# Altium PCB PCB_wordclocksmall_2022-11-05.pcbdoc (part 4 of 5)
Units mm, origin at the board's own origin, x right, y up, seen from the top; angles counter-clockwise.
Board outline 235.71 x 238.24 mm, 2 copper layers (Top Layer, Bottom Layer); 312 components, 226 nets, 1026 pads, 204 vias.
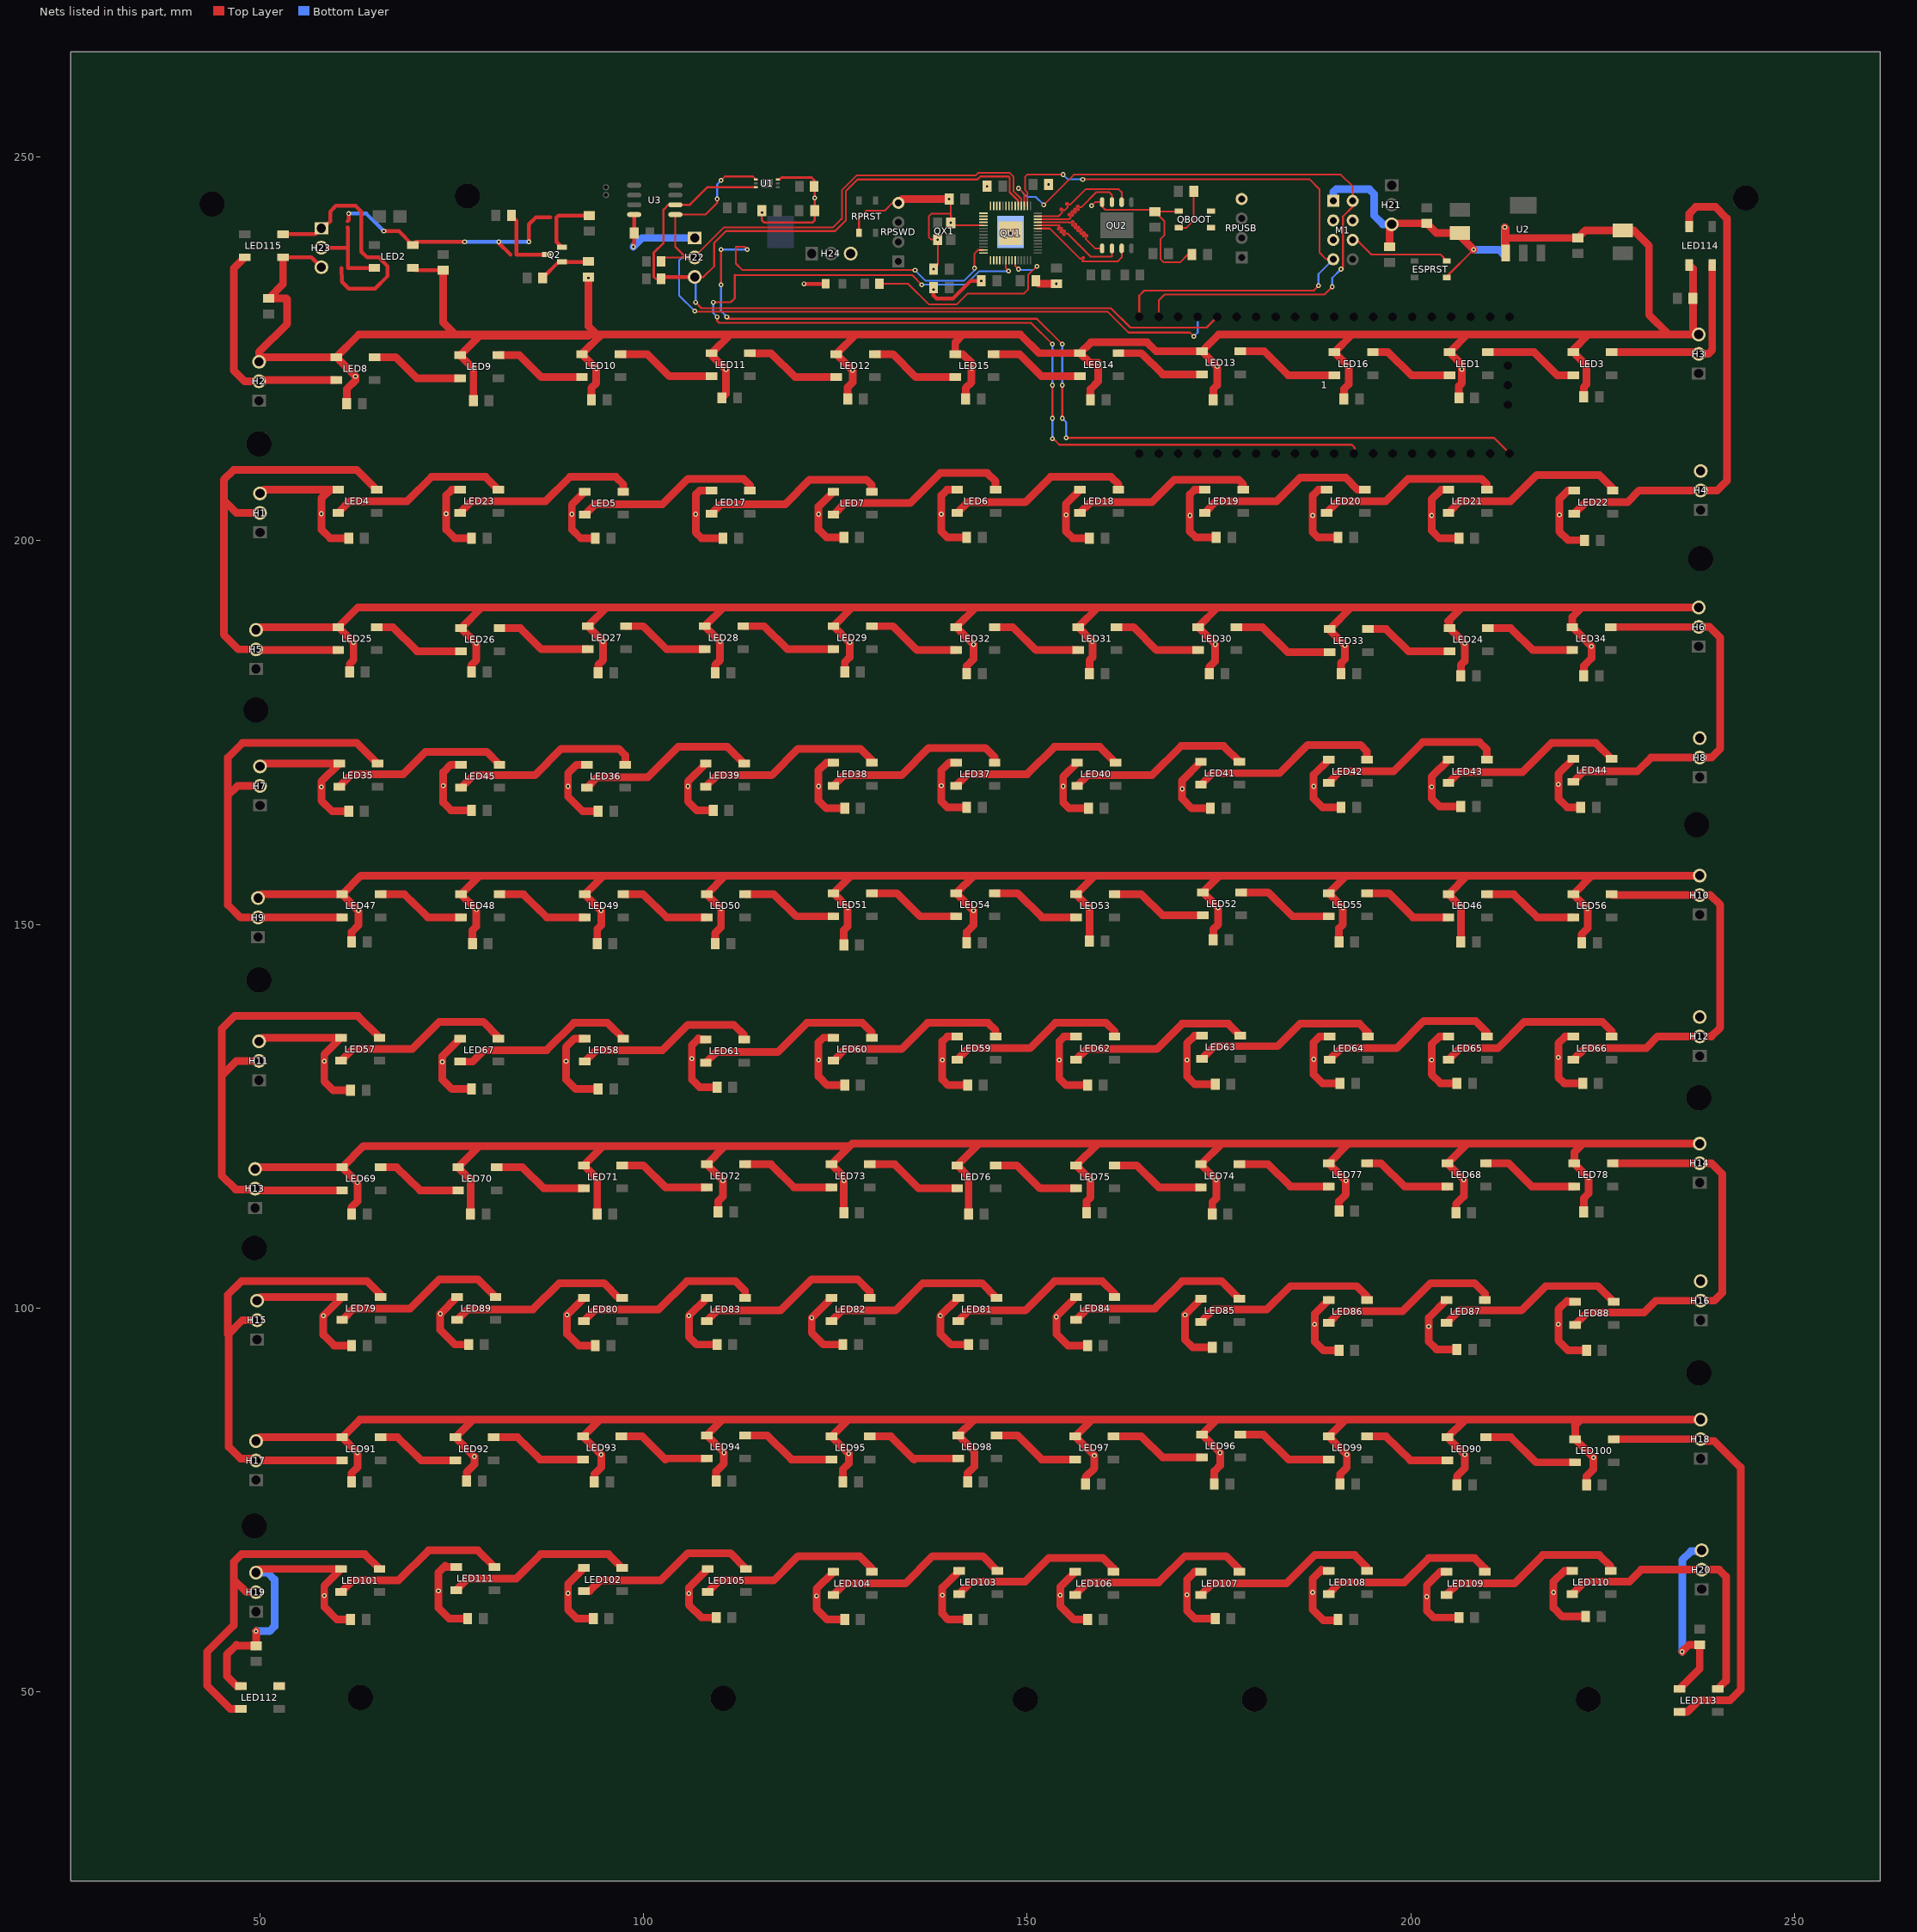
[diagram p4: the nets of this part, all layers, seen from the top]

## Via types
v1: diameter 0.635, hole 0.305, Top Layer to Bottom Layer, tented both sides, 201 vias
v2: diameter 1, hole 0.5, Top Layer to Bottom Layer, tented both sides, 3 vias

## Nets (pads, with @x,y where several pads share a name; then routed paths per layer and width w, separated by ;. In a path a pad name is that pad's centre, name@x,y a point inside that pad or via, vN(x,y) a via of type N, cw(c..) or ccw(c..) an arc to the next point about the centre after c; other vN are vias at no path point) (continued)
GND: 1.GND 1.GND1 1.GND2 1.GND4 1.GND5 BT1.2 C1.2 C2.1 C3.2 C4.2 C5.2 C6.1 C7.2 C8.2 C9.2 C10.1 C11.2 C12.2 C13.2 C14.2 C15.2 C16.2 C17.2 C18.2 C19.2 C20.2 C21.2 C22.2 C23.2 C24.2 C25.2 C26.2 C27.2 C28.2 C29.2 C30.2 C31.2 C32.2 C33.2 C34.2 C35.2 C36.2 C37.2 C38.2 C39.2 C40.2 C41.2 C42.2 C43.2 C44.2 C45.2 C46.2 C47.2 C48.2 C49.2 C50.2 C51.2 C52.2 C53.2 C54.2 C55.2 C56.2 C57.2 C58.2 C59.2 C60.2 C61.2 C62.2 C63.2 C64.2 C65.2 C66.2 C67.2 C68.2 C69.2 C70.2 C71.2 C72.2 C73.2 C74.2 C75.2 C76.2 C77.2 C78.2 C79.2 C80.2 C81.2 C82.2 C83.2 C84.2 C85.2 C86.2 C87.2 C88.2 C89.2 C90.2 C91.2 C92.2 C93.2 C94.2 C95.2 C96.2 C97.2 C98.2 C99.2 C100.2 C101.2 C102.2 C103.2 C104.2 C105.2 C106.2 C107.2 C108.2 C109.2 C110.2 C111.2 C112.2 C113.2 C114.2 C115.2 C116.2 C117.2 C118.2 C119.2 C120.2 C121.2 C122.2 C123.2 C124.2 C125.1 C126.1 C127.1 C128.1 C129.1 C130.2 C131.1 C132.1 C133.1 ESPRST.4 H1.3 H2.3 H3.3 H4.3 H5.3 H6.3 H7.3 H8.3 H9.3 H10.3 H11.3 H12.3 H13.3 H14.3 H15.3 H16.3 H17.3 H18.3 H19.3 H20.3 H21.3 H22.1 H23.3 H24.3 LED1.3 LED2.3 LED3.3 LED4.3 LED5.3 LED6.3 LED7.3 LED8.3 LED9.3 LED10.3 LED11.3 LED12.3 LED13.3 LED14.3 LED15.3 LED16.3 LED17.3 LED18.3 LED19.3 LED20.3 LED21.3 LED22.3 LED23.3 LED24.3 LED25.3 LED26.3 LED27.3 LED28.3 LED29.3 LED30.3 LED31.3 LED32.3 LED33.3 LED34.3 LED35.3 LED36.3 LED37.3 LED38.3 LED39.3 LED40.3 LED41.3 LED42.3 LED43.3 LED44.3 LED45.3 LED46.3 LED47.3 LED48.3 LED49.3 LED50.3 LED51.3 LED52.3 LED53.3 LED54.3 LED55.3 LED56.3 LED57.3 LED58.3 LED59.3 LED60.3 LED61.3 LED62.3 LED63.3 LED64.3 LED65.3 LED66.3 LED67.3 LED68.3 LED69.3 LED70.3 LED71.3 LED72.3 LED73.3 LED74.3 LED75.3 LED76.3 LED77.3 LED78.3 LED79.3 LED80.3 LED81.3 LED82.3 LED83.3 LED84.3 LED85.3 LED86.3 LED87.3 LED88.3 LED89.3 LED90.3 LED91.3 LED92.3 LED93.3 LED94.3 LED95.3 LED96.3 LED97.3 LED98.3 LED99.3 LED100.3 LED101.3 LED102.3 LED103.3 LED104.3 LED105.3 LED106.3 LED107.3 LED108.3 LED109.3 LED110.3 LED111.3 LED112.3 LED113.3 LED114.3 LED115.3 LED116.1 M1.1 QBOOT.4 QU1.19 QU1.57 QU2.4 QX1.2 QX1.4 R1.2 R5.1 RPRST.4 RPSWD.4 RPUSB.4 U1.3 U2.1 U3.4 | length 2433.2
  Top Layer w0.229: RPRST.4@128.084,240.104 128.085,241.882 129.032,242.966 131.445,242.966 132.461,243.982 RPSWD.4@133.223,243.982 ; v1(137.795,235.346) 138.342,235.893 v1(138.342,239.199) 137.498,239.199 137.16,239.537 137.16,242.204 137.541,242.585 139.827,242.585 140.081,242.331 140.081,241.438 v1(140.042,241.399) ; v1(139.827,244.49) 140.042,244.275 v1(140.042,241.399) ; QU1.19@144.278,241.045 140.396,241.045 v1(140.042,241.399) ; v1(158.369,243.601) 158.842,244.074 QU2.4@159.766,244.074 159.766,243.474 160.147,243.093 166.37,243.093 C129.1@166.624,242.839 ; QBOOT.4@169.731,242.898 169.672,242.839 C129.1@166.624,242.839 ; C131.1@171.45,237.251 170.942,237.251 169.926,236.235 167.767,236.235 167.386,236.616 167.386,239.283 167.894,239.791 167.894,241.569 C129.1@166.624,242.839 ; ESPRST.4@204.665,234.271 204.665,234.398 v1(208.153,237.886)
  Top Layer w0.3: C6.1@115.443,242.966 115.443,241.696 115.697,241.442 122.047,241.442 122.301,241.696 C7.2@122.301,242.966 v1(122.301,244.617) 122.301,246.091 R1.2@122.251,246.141 ; U1.3@117.506,247.022 117.721,247.023 117.983,247.284 121.92,247.284 122.25,246.954 R1.2@122.251,246.141
  Top Layer w0.5: LED2.3@69.937,235.497 70.215,235.219 C4.2@73.914,235.219 ; v1(92.837,234.203) R5.1@92.837,234.33 ; v1(98.679,238.267) 98.806,238.394 C3.2@98.806,240.045 98.806,242.443 U3.4@98.791,242.458
  Top Layer w0.508: LED115.3@53.046,236.894 56.745,236.894 H23.3@58.039,235.6 ; v1(120.904,233.438) LED116.1@123.741,233.441 ; C132.1@137.795,232.933 137.795,231.917 138.176,231.536 140.335,231.536 142.621,233.822 v1(144.018,233.822)
  Top Layer w1: LED112.3@47.538,50.791 47.014,50.791 45.72,52.085 45.72,54.879 46.99,56.149 47.117,56.022 C119.2@49.53,56.022 v1(49.53,57.927) ; H13.3@49.403,118.125 49.633,118.355 LED69.3@60.746,118.355 ; H19.3@49.53,65.547 50.014,66.031 LED101.3@60.619,66.031 58.42,63.832 v1(58.42,62.573) 58.42,61.102 60.071,59.451 C108.2@61.849,59.451 ; H17.3@49.53,82.692 50.014,83.176 LED91.3@60.746,83.176 ; H5.3@49.53,188.356 49.887,188.713 LED25.3@60.238,188.713 ; H15.3@49.657,100.98 50.141,101.464 LED79.3@60.746,101.464 v1(58.293,99.011) 58.293,96.535 59.69,95.138 C86.2@61.976,95.138 ; H9.3@49.784,153.431 50.268,153.915 LED47.3@60.746,153.915 ; H11.3@49.911,134.762 50.395,135.246 LED57.3@60.619,135.246 58.42,133.047 v1(58.42,132.174) 58.42,129.555 59.563,128.412 C64.2@61.849,128.412 ; H7.3@50.038,170.576 50.395,170.933 LED35.3@60.365,170.933 58.039,168.607 v1(58.039,167.903) 58.039,166.131 59.436,164.734 C42.2@61.595,164.734 ; H1.3@50.038,206.136 50.522,206.62 LED4.3@60.238,206.62 ; LED115.3@53.046,236.894 53.046,233.401 C122.2@51.181,231.536 53.467,231.536 53.594,231.409 53.594,228.234 49.911,224.551 H2.3@49.911,223.281 50.522,223.892 LED8.3@59.984,223.892 v1(62.484,221.392) 62.484,220.868 61.341,219.725 C16.2@61.341,217.82 ; LED8.3@59.984,223.892 62.928,226.837 94.551,226.837 ; LED4.3@60.239,206.621 59.207,206.621 58.039,205.501 v1(58.039,203.488) 58.039,201.437 59.182,200.294 C12.2@61.595,200.294 ; C32.2@61.722,182.895 61.722,183.911 62.23,184.419 v1(62.23,186.721) LED25.3@60.238,188.713 ; C98.2@61.976,77.358 61.976,78.501 62.738,79.263 v1(62.738,81.184) LED91.3@60.746,83.176 ; C76.2@61.976,112.283 61.976,113.172 62.738,113.934 v1(62.738,116.363) LED69.3@60.746,118.355 ; C54.2@61.976,147.716 61.976,148.986 62.865,149.875 v1(62.865,151.796) LED47.3@60.746,153.915 ; C4.2@73.914,235.219 73.914,228.404 75.481,226.837 ; LED111.3@75.605,66.285 74.319,66.285 74.168,66.436 73.279,65.547 v1(73.279,63.183) 73.279,60.975 74.676,59.578 C118.2@77.089,59.578 ; LED89.3@75.732,101.464 v1(73.533,99.265) 73.533,97.17 75.438,95.265 C96.2@77.216,95.265 ; LED67.3@76.113,135.119 73.787,132.793 v1(73.787,132.089) 73.787,129.809 75.057,128.539 C74.2@77.597,128.539 ; LED23.3@76.113,206.62 75.033,206.62 74.295,205.882 v1(74.295,203.488) 74.295,201.437 75.438,200.294 C30.2@77.597,200.294 ; LED45.3@76.24,170.806 74.906,170.806 73.914,169.814 v1(73.914,168.072) 73.914,165.877 74.93,164.861 C52.2@77.597,164.861 ; C99.2@76.962,77.485 76.962,78.628 77.978,79.644 v1(77.978,80.676) LED92.3@75.478,83.176 77.788,85.486 ; C77.2@77.47,112.283 v1(77.47,116.744) LED70.3@75.859,118.355 78.629,121.125 ; C33.2@77.597,182.895 77.597,183.784 78.232,184.419 v1(78.232,186.594) LED26.3@76.24,188.586 78.931,191.277 ; C55.2@77.724,147.462 77.724,149.24 78.232,149.748 v1(78.232,151.923) LED48.3@76.24,153.915 78.677,156.352 ; C17.2@77.851,218.201 v1(77.851,222.408) LED9.3@76.113,224.146 78.635,226.668 92.837,226.668 ; LED102.3@92.242,66.158 90.17,64.086 v1(90.17,62.878) 90.17,60.721 91.313,59.578 C109.2@93.472,59.578 ; LED80.3@92.242,101.337 v1(90.043,99.138) 90.043,96.662 91.567,95.138 C87.2@93.726,95.138 ; LED58.3@92.369,135.119 91.035,135.119 89.916,134 v1(89.916,132.174) 89.916,129.809 91.186,128.539 C65.2@94.107,128.539 ; LED5.3@92.369,206.366 90.678,204.675 v1(90.678,203.437) 90.678,201.437 91.821,200.294 C13.2@93.726,200.294 ; LED36.3@92.623,170.806 91.289,170.806 90.17,169.687 v1(90.17,167.988) 90.17,166.639 92.075,164.734 C43.2@94.107,164.734 ; R5.1@92.837,234.33 92.837,227.905 94.229,226.513 ; C18.2@93.218,218.328 93.218,219.852 93.853,220.487 v1(93.853,222.408) LED10.3@91.988,224.273 94.552,226.837 111.316,226.837 ; C100.2@93.599,77.358 93.599,78.374 94.488,79.263 v1(94.488,80.93) LED93.3@92.115,83.303 94.298,85.486 ; C78.2@93.98,112.283 v1(93.98,116.871) LED71.3@92.242,118.609 94.758,121.125 ; C56.2@93.98,147.462 93.98,149.367 94.488,149.875 v1(94.488,151.796) LED49.3@92.369,153.915 94.806,156.352 ; C34.2@94.107,182.768 94.107,183.784 94.742,184.419 v1(94.742,186.848) LED27.3@92.75,188.84 95.187,191.277 ; LED61.3@108.117,134.992 107.339,134.992 107.188,135.143 106.299,134.254 v1(106.299,132.512) 106.299,129.809 107.315,128.793 C66.2@109.601,128.793 ; LED39.3@108.117,170.933 105.791,168.607 v1(105.791,167.988) 105.791,166.004 106.934,164.861 C44.2@109.093,164.861 ; LED83.3@108.244,101.337 v1(105.918,99.011) 105.918,96.281 106.934,95.265 C88.2@109.601,95.265 ; LED105.3@108.371,66.031 105.918,63.578 v1(105.918,62.827) 105.918,61.356 107.569,59.705 C110.2@109.474,59.705 ; LED17.3@108.88,206.494 107.34,206.494 106.807,206.009 v1(106.807,203.437) 106.807,201.056 107.569,200.294 C14.2@110.363,200.294 ; C57.2@109.347,147.462 109.347,148.859 110.109,149.621 v1(110.109,152.05) LED50.3@108.244,153.915 110.681,156.352 ; C35.2@109.347,182.768 109.347,183.784 109.982,184.419 v1(109.982,186.848) LED28.3@107.99,188.84 110.427,191.277 ; C101.2@109.474,77.485 109.474,78.755 110.49,79.771 v1(110.49,81.184) LED94.3@108.244,83.43 110.3,85.486 ; C79.2@109.728,112.537 109.728,113.934 110.363,114.569 v1(110.363,116.617) LED72.3@108.244,118.736 110.633,121.125 ; C19.2@110.236,218.582 110.744,219.09 v1(110.744,222.265) 108.879,224.13 LED11.3@108.879,224.4 111.316,226.837 ; LED82.3@124.5,101.337 v1(121.92,98.757) 121.92,96.789 123.444,95.265 C89.2@125.984,95.265 ; LED104.3@124.754,65.65 122.555,63.451 v1(122.555,62.523) 122.555,60.848 123.952,59.451 C111.2@126.238,59.451 ; LED60.3@124.755,135.247 123.469,135.247 122.809,134.635 v1(122.809,132.343) 122.809,130.19 123.952,129.047 C67.2@126.238,129.047 ; LED38.3@124.755,171.061 123.85,171.061 122.809,170.068 v1(122.809,167.988) 122.809,166.131 123.825,165.115 C45.2@126.238,165.115 ; LED7.3@124.754,206.366 122.809,204.421 v1(122.809,203.437) 122.809,201.437 123.825,200.421 C15.2@126.111,200.421 ; C102.2@125.984,77.358 125.984,79.009 126.746,79.771 v1(126.746,81.057) LED95.3@124.5,83.303 126.683,85.486 ; C80.2@126.111,112.41 v1(126.111,116.595) 126.111,117.125 LED73.3@124.5,118.736 127.191,121.427 143.701,121.427 ; C58.2@126.111,147.335 126.111,149.24 126.619,149.748 v1(126.619,152.177) LED51.3@124.754,154.042 127.064,156.352 ; C36.2@126.238,182.895 126.238,184.165 126.873,184.8 v1(126.873,186.721) LED29.3@124.754,188.84 127.191,191.277 ; C20.2@126.619,218.455 126.619,219.979 127.254,220.614 v1(127.254,222.154) LED12.3@125.135,224.273 127.699,226.837 ; 126.889,121.125 110.633,121.125 ; RPSWD.4@133.223,243.982 133.731,244.49 v1(139.827,244.49) ; LED15.3@140.629,224.273 140.629,225.819 141.647,226.837 ; LED15.3@140.63,224.274 141.58,224.274 142.748,223.154 v1(142.748,222.447) 142.748,220.614 141.986,219.852 C23.2@141.986,218.455 ; LED37.3@140.757,171.061 139.852,171.061 138.811,170.068 v1(138.811,168.072) 138.811,166.004 139.573,165.242 C46.2@142.113,165.242 ; LED59.3@140.884,135.374 139.598,135.374 138.938,134.762 v1(138.938,132.343) 138.938,129.809 139.7,129.047 C68.2@142.24,129.047 ; LED6.3@140.883,206.62 139.549,206.62 138.811,205.882 v1(138.811,203.437) 138.811,201.183 139.573,200.421 C24.2@142.113,200.421 ; LED81.3@141.01,101.337 v1(138.684,99.011) 138.684,96.662 140.081,95.265 C90.2@142.367,95.265 ; LED103.3@141.137,65.777 138.938,63.578 v1(138.938,62.624) 138.938,60.213 139.7,59.451 C112.2@142.24,59.451 ; C59.2@142.113,147.589 142.113,148.986 143.002,149.875 v1(143.002,151.796) LED54.3@140.756,154.042 143.066,156.352 ; C37.2@142.113,182.641 142.113,183.657 143.002,184.546 v1(143.002,186.467) LED32.3@140.756,188.713 143.32,191.277 ; C103.2@142.24,77.358 142.24,78.501 143.129,79.39 143.129,81.311 LED98.3@141.01,83.43 143.066,85.486 ; C81.2@142.367,112.283 v1(142.367,117.125) LED76.3@140.883,118.609 143.701,121.427 ; C133.1@151.13,233.822 151.511,233.441 v1(153.797,233.441) ; LED106.3@156.25,65.65 154.305,63.705 v1(154.305,62.624) 154.305,61.229 156.083,59.451 C113.2@157.861,59.451 ; LED84.3@156.377,101.464 v1(153.797,98.884) 153.797,96.662 155.321,95.138 C91.2@157.861,95.138 ; LED62.3@156.377,135.373 154.789,135.373 154.178,134.762 v1(154.178,132.343) 154.178,129.936 155.067,129.047 C69.2@157.861,129.047 ; LED40.3@156.504,171.06 154.686,169.242 v1(154.686,167.988) 154.686,165.877 155.448,165.115 C47.2@157.988,165.115 ; LED18.3@156.885,206.62 155.067,204.802 v1(155.067,203.352) 155.067,201.183 155.956,200.294 C25.2@158.115,200.294 ; C104.2@157.607,77.104 157.607,77.993 158.75,79.136 v1(158.75,80.803) LED97.3@156.25,83.303 158.433,85.486 ; C82.2@157.734,112.41 157.734,113.934 158.242,114.442 v1(158.242,116.744) LED75.3@156.377,118.609 159.195,121.427 ; C60.2@158.115,147.843 v1(158.115,152.177) LED53.3@156.377,153.915 158.814,156.352 ; C38.2@158.115,182.641 158.115,184.419 158.496,184.8 v1(158.496,186.848) LED31.3@156.631,188.713 159.195,191.277 ; C22.2@158.242,218.328 158.242,219.725 159.258,220.741 v1(159.258,223.154) 158.131,223.154 LED14.3@156.885,224.4 ; LED107.3@172.633,65.65 171.807,65.65 170.815,64.658 v1(170.815,62.675) 170.815,60.594 171.831,59.578 C114.2@174.498,59.578 ; LED85.3@172.633,101.21 v1(170.561,99.138) 170.561,95.9 171.577,94.884 C92.2@174.117,94.884 ; LED41.3@172.633,171.187 170.18,168.734 v1(170.18,167.649) 170.18,166.385 171.45,165.115 C48.2@173.863,165.115 ; LED63.3@172.76,135.5 171.807,135.5 170.815,134.508 v1(170.815,132.343) 170.815,130.19 171.831,129.174 C70.2@174.498,129.174 ; LED19.3@173.141,206.62 171.807,206.62 171.196,206.009 v1(171.196,203.268) 171.196,201.183 171.958,200.421 C26.2@174.625,200.421 ; C39.2@173.736,182.641 173.736,183.53 174.498,184.292 v1(174.498,186.467) LED30.3@172.252,188.713 174.816,191.277 ; C83.2@174.117,112.283 174.117,113.807 174.625,114.315 v1(174.625,116.744) LED74.3@172.633,118.736 175.324,121.427 ; C61.2@174.244,147.97 174.244,149.367 174.879,150.002 v1(174.879,152.177) LED52.3@172.887,154.169 175.07,156.352 ; C21.2@174.244,218.328 174.244,219.725 174.752,220.233 v1(174.752,222.662) LED13.3@172.76,224.654 ; C105.2@174.371,77.104 174.371,78.755 175.133,79.517 v1(175.133,81.184) LED96.3@172.76,83.557 174.689,85.486 191.875,85.486 ; 175.212,85.486 158.433,85.486 ; LED20.3@189.016,206.62 187.936,206.62 187.198,205.882 v1(187.198,203.268) 187.198,201.056 187.833,200.421 C27.2@190.5,200.421 ; LED108.3@189.27,65.777 188.492,65.777 188.341,65.928 187.198,64.785 v1(187.198,62.98) 187.198,60.721 188.595,59.324 189.738,59.324 ; LED86.3@189.27,101.083 187.452,99.265 v1(187.452,97.884) 187.452,95.646 188.595,94.503 C93.2@190.627,94.503 ; LED42.3@189.27,171.441 187.325,169.496 v1(187.325,167.988) 187.325,166.385 188.468,165.242 C49.2@190.881,165.242 ; LED64.3@189.397,135.373 188.063,135.373 187.325,134.635 v1(187.325,132.428) 187.325,130.444 188.468,129.301 C71.2@190.754,129.301 ; C84.2@190.627,112.664 190.627,113.934 191.516,114.823 v1(191.516,116.617) LED77.3@189.27,118.863 191.834,121.427 207.328,121.427 ; C62.2@190.627,147.716 190.627,149.494 191.135,150.002 v1(191.135,152.177) LED55.3@189.27,154.042 191.58,156.352 ; C106.2@190.754,77.104 190.754,78.374 191.643,79.263 v1(191.643,80.93) LED99.3@189.27,83.303 191.453,85.486 207.074,85.486 ; C40.2@190.881,182.641 190.881,184.038 191.389,184.546 v1(191.389,186.324) 189.397,188.316 LED33.3@189.397,188.459 192.215,191.277 ; C5.2@191.262,218.455 191.262,219.725 191.897,220.36 v1(191.897,222.662) LED16.3@190.032,224.527 192.342,226.837 ; 192.292,121.427 175.324,121.427 ; C130.2@197.231,238.267 197.231,240.934 H21.3@197.485,241.188 197.612,241.315 C10.1@202.057,241.315 203.304,240.068 C9.2@206.375,240.068 206.375,239.664 v1(208.153,237.886) ; LED109.3@204.637,65.65 203.811,65.65 202.057,63.896 v1(202.057,62.421) 202.057,60.594 202.946,59.705 C116.2@206.248,59.705 ; LED87.3@204.637,101.083 202.311,98.757 v1(202.311,97.63) 202.311,95.646 203.327,94.63 C94.2@205.994,94.63 ; LED65.3@204.891,135.373 203.684,135.373 202.692,134.381 v1(202.692,132.343) 202.692,130.444 203.835,129.301 C72.2@205.994,129.301 ; LED43.3@204.891,171.441 202.692,169.242 v1(202.692,167.903) 202.692,166.385 203.708,165.369 C50.2@206.502,165.369 ; LED21.3@204.891,206.62 203.938,206.62 202.692,205.374 v1(202.692,203.268) 202.692,201.31 203.708,200.294 C28.2@206.248,200.294 ; C75.2@205.867,112.41 205.867,113.553 206.883,114.569 v1(206.883,116.744) LED68.3@204.764,118.863 207.328,121.427 ; C97.2@205.994,76.977 205.994,78.12 207.01,79.136 v1(207.01,80.93) LED90.3@204.764,83.176 207.074,85.486 ; C11.2@206.248,218.582 206.248,220.106 206.629,220.487 v1(206.629,222.301) 206.629,222.916 LED1.3@205.018,224.527 207.328,226.837 ; C53.2@206.502,147.716 v1(206.502,152.304) LED46.3@204.891,153.915 207.328,156.352 ; C31.2@206.502,182.387 206.502,183.784 207.01,184.292 v1(207.01,186.594) LED24.3@205.018,188.586 205.018,189.332 204.851,189.499 206.629,191.277 ; v1(212.217,240.807) 212.331,240.693 U2.1@212.331,237.454 212.331,239.143 212.598,239.41 C2.1@221.742,239.41 222.735,240.403 C8.2@227.584,240.403 229.004,240.403 231.013,238.394 231.013,229.412 233.588,226.837 ; LED110.3@221.021,65.778 219.989,65.778 218.567,64.404 v1(218.567,62.98) 218.567,60.975 219.71,59.832 C117.2@222.758,59.832 ; LED66.3@221.147,135.373 220.067,135.373 219.202,134.508 v1(219.202,132.682) 219.202,130.063 219.964,129.301 C73.2@222.377,129.301 ; LED44.3@221.147,171.568 219.202,169.623 v1(219.202,168.242) 219.202,166.385 220.345,165.242 C51.2@222.123,165.242 ; LED22.3@221.274,206.493 220.448,206.493 219.329,205.374 v1(219.329,203.352) 219.329,201.183 220.472,200.04 C29.2@222.631,200.04 ; LED88.3@221.401,100.829 220.496,100.829 220.345,100.98 219.202,99.837 v1(219.202,97.884) 219.202,95.773 220.472,94.503 C95.2@222.885,94.503 ; C63.2@222.25,147.589 222.25,148.732 223.012,149.494 v1(223.012,152.05) LED56.3@221.147,153.915 223.584,156.352 ; C85.2@222.504,112.537 222.504,114.315 223.139,114.95 v1(223.139,116.998) LED78.3@221.274,118.863 221.274,120.324 222.377,121.427 ; C41.2@222.504,182.387 222.504,183.657 223.52,184.673 v1(223.52,186.213) LED34.3@221.02,188.713 221.02,190.047 222.25,191.277 ; C1.2@222.504,218.709 222.504,219.979 222.885,220.36 v1(222.885,222.789) LED3.3@221.147,224.527 221.147,224.845 223.139,226.837 ; C107.2@222.885,76.977 222.885,78.12 223.774,79.009 v1(223.774,80.549) LED100.3@221.401,82.922 221.401,84.684 221.361,84.724 222.123,85.486 ; LED113.3@234.99,50.41 237.617,53.037 C120.2@237.617,56.149 236.22,56.149 v1(235.331,55.26) ; LED114.3@236.244,235.894 236.728,235.41 C121.2@236.728,231.536 236.728,227.599 H3.3@237.49,226.837 223.139,226.837 ; H6.3@237.49,191.277 222.25,191.277 ; H14.3@237.617,121.427 222.377,121.427 ; H10.3@237.617,156.352 223.584,156.352 ; H18.3@237.744,85.486 222.123,85.486 ; LED25.3@60.238,188.713 62.802,191.277 78.931,191.277 ; LED91.3@60.746,83.176 63.056,85.486 77.788,85.486 ; LED69.3@60.746,118.355 63.516,121.125 78.629,121.125 ; LED47.3@60.746,153.915 63.183,156.352 78.677,156.352 ; 77.788,85.486 94.298,85.486 ; 78.629,121.125 94.758,121.125 ; 78.677,156.352 94.806,156.352 ; 78.931,191.277 95.187,191.277 ; 94.298,85.486 110.3,85.486 ; 94.758,121.125 110.633,121.125 ; 94.806,156.352 110.681,156.352 ; 95.187,191.277 110.427,191.277 ; 110.3,85.486 126.683,85.486 ; 110.427,191.277 127.191,191.277 ; 110.681,156.352 127.064,156.352 ; 111.316,226.837 127.699,226.837 ; 126.683,85.486 143.066,85.486 ; 127.064,156.352 143.066,156.352 ; 127.191,191.277 143.32,191.277 ; 127.699,226.837 143.193,226.837 149.098,226.837 151.535,224.4 LED14.3@156.885,224.4 ; 143.066,85.486 158.433,85.486 ; 143.066,156.352 158.814,156.352 ; 143.32,191.277 159.195,191.277 ; 143.701,121.427 159.195,121.427 ; LED14.3@156.885,224.4 158.306,225.821 165.608,225.821 166.775,224.654 LED13.3@172.76,224.654 ; 158.814,156.352 175.07,156.352 ; 159.195,121.427 175.324,121.427 ; 159.195,191.277 174.816,191.277 ; LED13.3@172.76,224.654 174.943,226.837 192.342,226.837 ; 174.816,191.277 192.215,191.277 ; 175.07,156.352 191.58,156.352 ; 191.58,156.352 207.328,156.352 ; 192.215,191.277 206.629,191.277 ; 192.342,226.837 207.328,226.837 ; 206.629,191.277 222.25,191.277 ; 207.074,85.486 222.123,85.486 ; 207.328,121.427 222.377,121.427 ; 207.328,156.352 223.584,156.352 ; 207.328,226.837 223.139,226.837
  Bottom Layer w1: v1(49.53,57.927) 51.308,57.927 51.943,58.562 51.943,64.658 51.054,65.547 H19.3@49.53,65.547 ; v1(98.679,238.267) 99.822,239.41 H22.1@106.68,239.41 ; M1.1@189.865,244.236 189.865,245.379 190.246,245.76 194.564,245.76 195.199,245.125 195.199,242.331 196.342,241.188 H21.3@197.485,241.188 ; v1(208.153,237.886) 211.455,237.886 212.217,237.124 v1(212.217,240.807) ; v1(235.331,55.26) 235.331,67.198 236.474,68.341 237.744,68.341 H20.3@237.871,68.468